# Allegro board 038NC-GRIFFI-V9A_16.brd
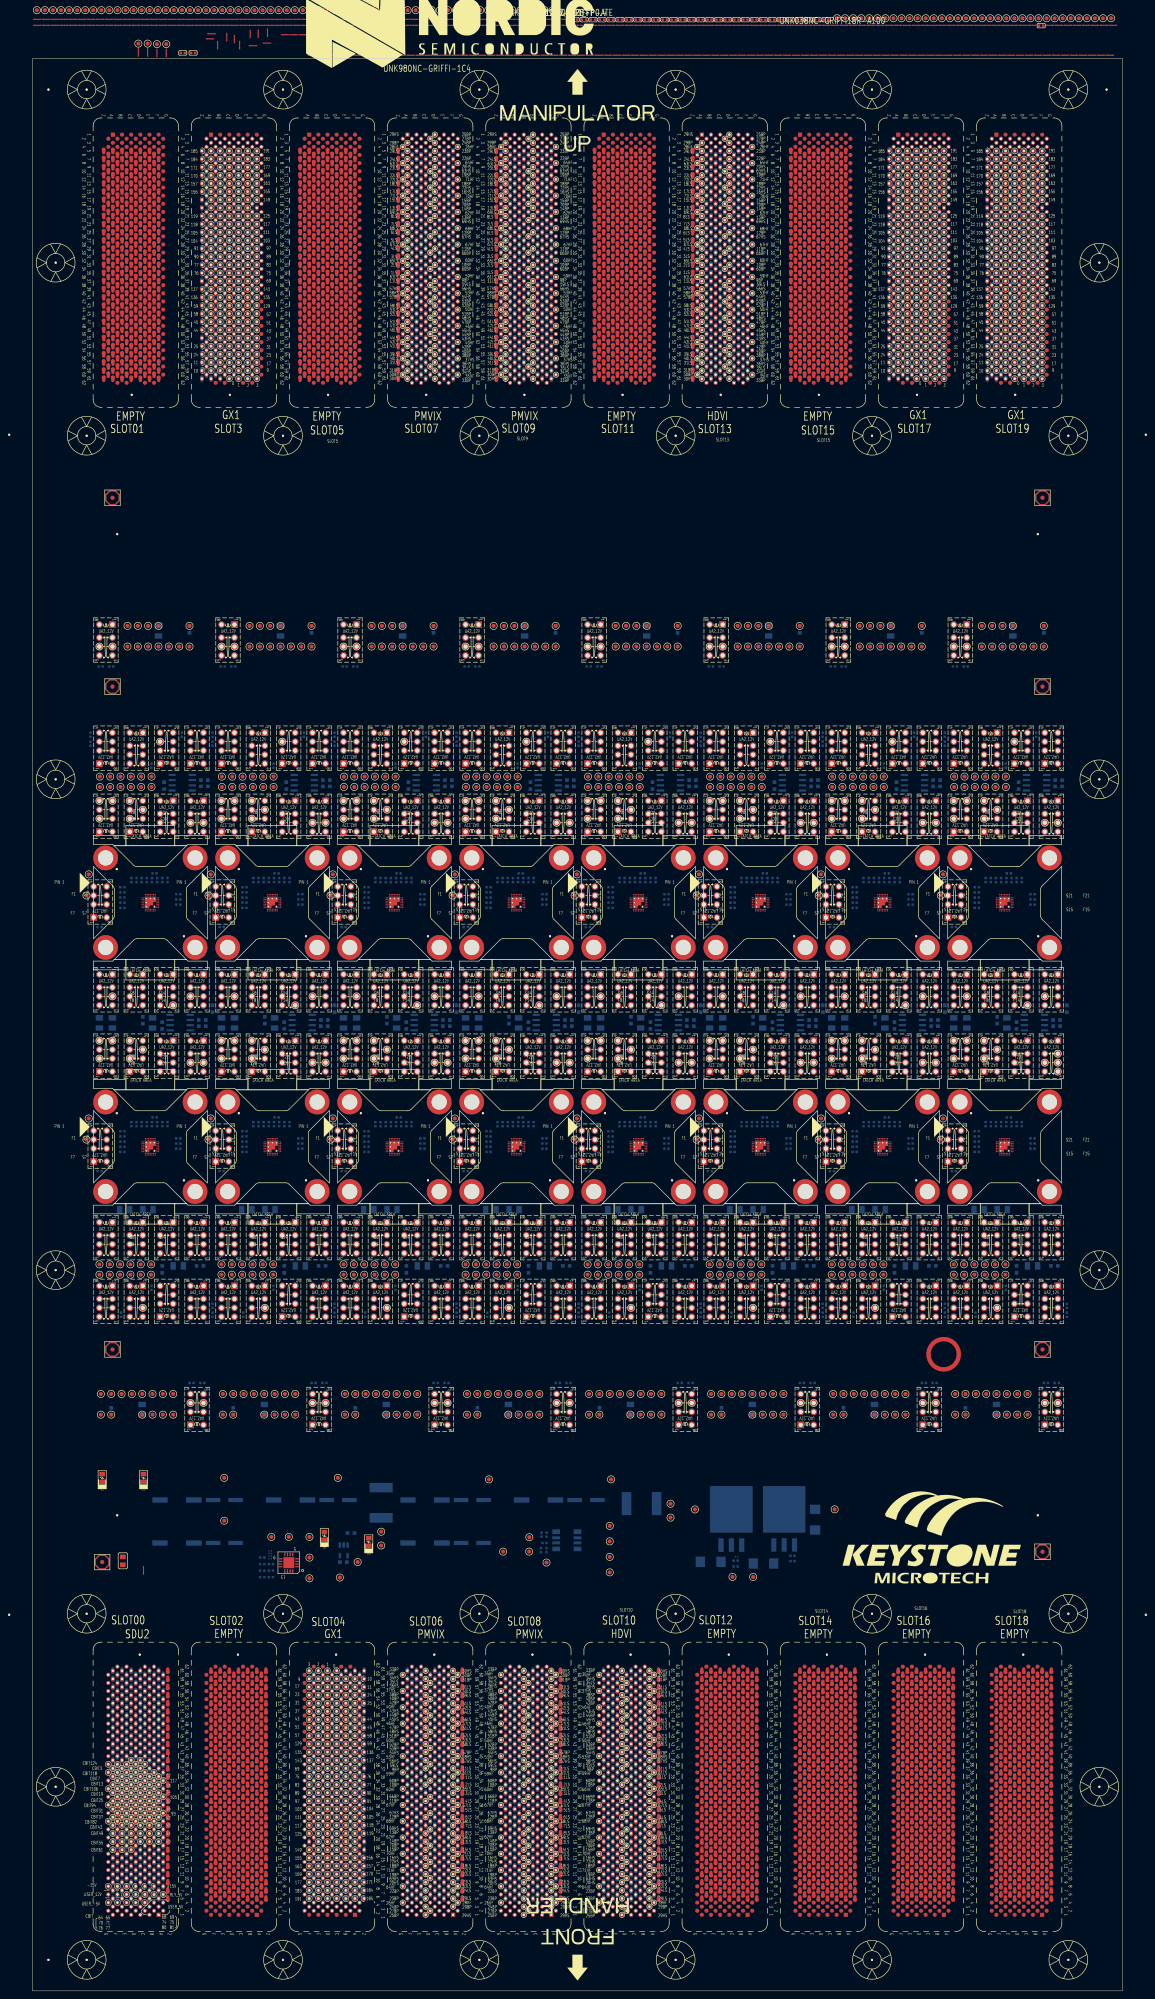
[diagram p0: board, top side]
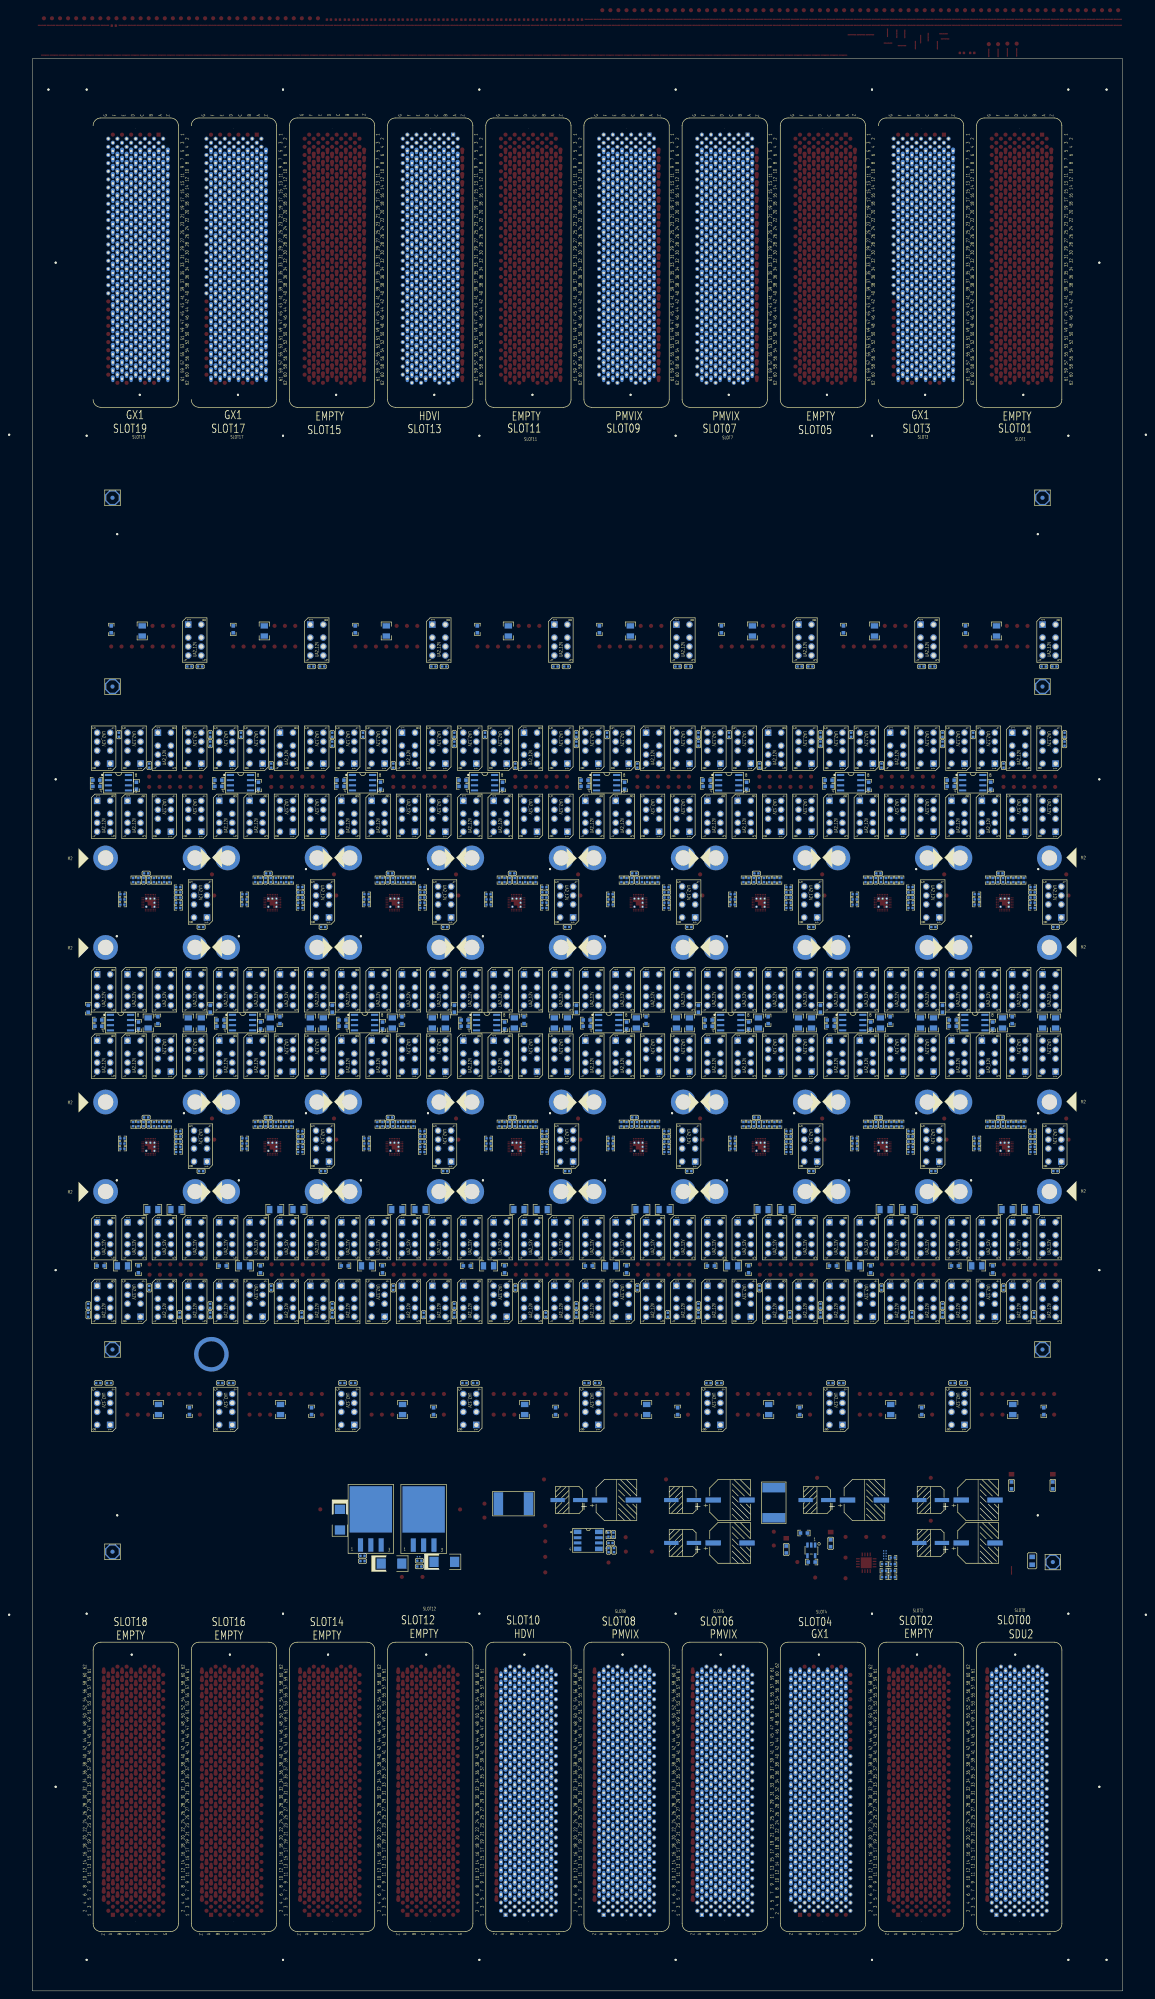
[diagram p1: board, bottom side, seen from below]

Outline 267.97 x 474.98 mm; copper layers: TOP, L02_GND, L03_SIGNAL, L04_GND, L05_SIGNAL, L06_GND, L07_SIGNAL, L08_GND, L09_PWR, L10_PWR, L11_GND, L12_PWR, L13_PWR, L14_GND, L15_USER, L16_CBIT, L17_GND, L18_PWR, L19_PWR, L20_GND, L21_PWR, L22_PWR, L23_GND, L24_SIGNAL, L25_GND, L26_SIGNAL, L27_GND, L28_SIGNAL, L29_GND, L30_SIGNAL, L31_GND, BOTTOM. Coordinates in mm from the lower left corner of the outline.

## Placement (name value [footprint] x y rotation side)
BC1  100U-50-E-S-6.6X6.6  [EC_6P3X7P7MM_S]  75.12 120.65 270 bottom
BC2  47U-100-E-S10X10-NI  [ECS_10X10MM_H10P5]  63.45 120.65 90 bottom
BC3  100U-50-E-S-6.6X6.6  [EC_6P3X7P7MM_S]  108.14 110.11 270 bottom
BC4  47U-100-E-S10X10-NI  [ECS_10X10MM_H10P5]  96.47 110.11 90 bottom
BC5  100U-50-E-S-6.6X6.6  [EC_6P3X7P7MM_S]  47.18 120.65 270 bottom
BC6  47U-100-E-S10X10-NI  [ECS_10X10MM_H10P5]  35.51 120.65 90 bottom
BC7  100U-50-E-S-6.6X6.6  [EC_6P3X7P7MM_S]  108.14 120.65 270 bottom
BC8  47U-100-E-S10X10-NI  [ECS_10X10MM_H10P5]  96.47 120.65 90 bottom
BC10  47U-100-E-S10X10-NI  [ECS_10X10MM_H10P5]  124.41 120.65 90 bottom
BC11  100U-50-E-S-6.6X6.6  [EC_6P3X7P7MM_S]  136.08 120.65 270 bottom
BC12  47U-100-E-S10X10-NI  [ECS_10X10MM_H10P5]  35.51 110.11 90 bottom
BC13  100U-50-E-S-6.6X6.6  [EC_6P3X7P7MM_S]  47.18 110.11 270 bottom
BD1  BD120-3.5A-S8-LA  [FB0805]  22.23 105.71 90 top
BD2  BD120-3.5A-S8-LA  [FB0805]  22.23 105.71 90 bottom
BR1  560-1-S6  [R0603]  71.76 110.03 270 bottom
BR2  560-1-S6  [R0603]  82.68 108.5 270 bottom
BR3  560-1-S6  [R0603]  27.31 124.25 270 bottom
BR4  1K-1-S6  [R0603]  17.15 124.25 270 bottom
C14  1U-16-X5R-S4-YA  [C0402]  126.4 112.15 90 bottom
C84  1U-16-X6S-S4-TY  [C0402]  56.49 106.51 180 bottom
C85  1U-16-X6S-S4-TY  [C0402]  56.49 103.28 180 bottom
C86  1U-16-X6S-S4-TY  [C0402]  56.49 104.88 180 bottom
C87  0.1U-10-X7R-S4-MU-1  [C0402]  58.62 104.91 0 bottom
C88  0.1U-10-X7R-S4-MU-1  [C0402]  58.62 103.28 0 bottom
C89  0.1U-10-X7R-S4-MU-1  [C0402]  56.49 101.68 180 bottom
C90  100P-50-X8R-S4-KEMET  [C0402]  58.62 101.68 0 bottom
C99  10U-35-T-SC  [CODE_C]  166.73 105.45 180 bottom
C100  10U-35-T-SC  [CODE_C]  179.71 105.04 180 bottom
C101  10U-35-T-SC  [CODE_C]  192.38 115.82 270 bottom
C102  1U-25-X7R-S6-WA  [C0603]  78.31 112.54 0 bottom
C103  1U-25-X7R-S6-WA  [C0603]  76.41 105.41 0 bottom
FD1  FD_040  [FD_040_V2]  17.15 105.41 0 top
FD2  FD_040  [FD_040_V2]  19.69 157.66 0 top
FD3  FD_040  [FD_040_V2]  19.69 320.62 0 top
FD4  FD_040  [FD_040_V2]  19.69 367.03 0 top
FD5  FD_040  [FD_040_V2]  248.29 367.03 0 top
FD6  FD_040  [FD_040_V2]  248.29 320.62 0 top
FD7  FD_040  [FD_040_V2]  248.29 157.66 0 top
FD8  FD_040  [FD_040_V2]  248.29 107.95 0 top
FD9  FD_040  [FD_040_V2]  17.15 105.41 180 bottom
FD10  FD_040  [FD_040_V2]  19.69 157.66 180 bottom
FD11  FD_040  [FD_040_V2]  19.69 320.62 180 bottom
FD12  FD_040  [FD_040_V2]  19.69 367.03 180 bottom
FD13  FD_040  [FD_040_V2]  248.29 367.03 180 bottom
FD14  FD_040  [FD_040_V2]  248.29 320.62 180 bottom
FD15  FD_040  [FD_040_V2]  248.29 157.66 180 bottom
FD16  FD_040  [FD_040_V2]  248.29 107.95 180 bottom
FUSE1  2920L200-2A-S7.98X5.44  [FUSE_2920_H45]  149.73 119.76 0 bottom
FUSE2  2920L200-2A-S7.98X5.44  [FUSE_2920_H45]  85.73 119.99 270 bottom
H1  M3-HOLE  [M3_NPTH169]  20.84 116.9 0 top
H2  M3-HOLE  [M3_NPTH169]  20.84 358.08 0 top
H3  M3-HOLE  [M3_NPTH169]  247.13 358.08 0 top
H4  M3-HOLE  [M3_NPTH169]  247.13 116.9 0 top
LOGO1  -  [LOGO_NC_NORDIC]  98.78 473.44 0 top
LOGO2  -  [LOGO_KT_KSMT]  217.98 104.48 0 top
M1  -  [PG_LTXDX_F_X1_OUTLINE_FULL_V2]  133.99 237.49 0 top
NOREF  -  []  218.86 249.87 0 top
NOREF#2  -  []  183.82 83.81 0 top
NOREF#3  -  []  53.93 290.34 90 top
NOREF#4  -  []  180.18 205.86 90 top
NOREF#5  -  []  123.41 250.67 0 top
NOREF#6  -  []  218.86 142.32 90 top
NOREF#7  -  []  196.47 290.34 90 top
NOREF#8  -  []  232.98 286.49 0 top
NOREF#9  -  []  164.98 281.49 90 top
NOREF#10  -  []  58.35 267.84 45 top
NOREF#11  -  []  104.99 221.49 90 top
NOREF#12  -  []  203.93 284.94 0 top
NOREF#13  -  []  224.98 281.49 90 top
NOREF#14  -  []  22.99 188.49 0 top
NOREF#15  -  []  45.92 300.88 90 top
NOREF#16  -  []  65.02 284.14 0 top
NOREF#17  -  []  81.68 112.1 0 top
NOREF#18  -  []  22.53 283.29 0 top
NOREF#19  -  []  22.99 226.49 0 top
NOREF#20  -  []  57.13 183.53 90 top
NOREF#21  -  []  181.01 206.29 90 top
NOREF#22  -  []  94.59 230.38 90 top
NOREF#23  -  []  16.47 173.3 0 top
NOREF#24  -  []  248.86 301.68 0 top
NOREF#25  -  []  235.94 234.38 0 top
NOREF#26  -  []  130.9 239.1 90 top
NOREF#27  -  []  121.39 188.93 0 top
NOREF#28  -  []  221.02 189.73 0 top
NOREF#29  -  []  133.01 240.57 90 top
NOREF#30  -  []  207.13 165.7 90 top
NOREF#31  -  []  16.47 225.98 90 top
NOREF#32  -  []  222.06 167.9 90 top
NOREF#33  -  []  61.01 266.29 90 top
NOREF#34  -  []  89.39 209.51 0 top
NOREF#35  -  []  241.01 206.69 90 top
NOREF#36  -  []  124.59 289.34 90 top
NOREF#37  -  []  248.86 142.32 90 top
NOREF#38  -  []  72.34 120.65 0 top
NOREF#39  -  []  235.7 198.99 90 top
NOREF#40  -  []  15.07 283.29 90 top
NOREF#41  -  []  42.48 284.14 0 top
NOREF#42  -  []  138.36 283.29 90 top
NOREF#43  -  []  145.97 326.61 90 top
NOREF#44  -  []  143.93 229.18 90 top
NOREF#45  -  []  143.93 309.28 0 top
NOREF#46  -  []  235.97 164.05 90 top
NOREF#47  -  []  77.99 196.49 90 top
NOREF#48  -  []  103.01 240.57 90 top
NOREF#49  -  []  45.06 263.86 0 top
NOREF#50  -  []  21.07 240.62 90 top
NOREF#51  -  []  170.17 17.15 0 top
NOREF#52  -  []  42.06 167.9 90 top
NOREF#53  -  []  213.43 164.05 90 top
NOREF#54  -  []  244.59 284.94 90 top
NOREF#55  -  []  56.96 208.69 0 top
NOREF#56  -  []  193.32 392.33 90 top
NOREF#57  -  []  15.07 251.52 0 top
NOREF#58  -  []  184.59 185.73 90 top
NOREF#59  -  []  250.89 240.62 90 top
NOREF#60  -  []  43.88 117.35 90 top
NOREF#61  -  []  76.47 288.14 90 top
NOREF#62  -  []  68.04 396.29 0 top
NOREF#63  -  []  78.36 224.33 90 top
NOREF#64  -  []  23.93 284.94 90 top
NOREF#65  -  []  102.06 225.98 90 top
NOREF#66  -  []  59.02 106.54 90 top
NOREF#67  -  []  226.47 335.86 0 top
NOREF#68  -  []  27.13 167.9 90 top
NOREF#69  -  []  219.43 82.65 0 top
NOREF#70  -  []  173.66 106.41 90 top
NOREF#71  -  []  205.97 240.62 90 top
NOREF#72  -  []  183.43 179.68 90 top
NOREF#73  -  []  228.36 240.62 90 top
NOREF#74  -  []  87.79 269.51 0 top
NOREF#75  -  []  43.91 396.29 0 top
NOREF#76  -  []  241.39 165.7 0 top
NOREF#77  -  []  128.86 144.52 90 top
NOREF#78  -  []  218.86 139.12 90 top
NOREF#79  -  []  52.99 248.49 90 top
NOREF#80  -  []  220.89 240.62 90 top
NOREF#81  -  []  154.59 244.47 90 top
NOREF#82  -  []  44.99 193.49 90 top
NOREF#83  -  []  241.39 301.68 90 top
NOREF#84  -  []  145.97 164.05 90 top
NOREF#85  -  []  72.06 284.94 90 top
NOREF#86  -  []  208.35 207.84 45 top
NOREF#87  -  []  222.06 246.67 90 top
NOREF#88  -  []  195.06 207.06 90 top
NOREF#89  -  []  177.13 181.33 90 top
NOREF#90  -  []  38.51 115.65 0 top
NOREF#91  -  []  228.36 224.33 90 top
NOREF#92  -  []  190.78 112.83 90 top
NOREF#93  -  []  87.41 138.32 0 top
NOREF#94  -  []  199.67 167.9 90 top
NOREF#95  -  []  79.94 164.9 0 top
NOREF#96  -  []  16.42 124.95 90 top
NOREF#97  -  []  59.32 208.11 315 top
NOREF#98  -  []  134.98 193.49 90 top
NOREF#99  -  []  71.03 110.73 90 top
NOREF#100  -  []  258.36 224.33 90 top
NOREF#101  -  []  143.93 288.14 90 top
NOREF#102  -  []  78.48 189.73 0 top
NOREF#103  -  []  128.73 110.11 90 top
NOREF#104  -  []  74.99 190.99 90 top
NOREF#105  -  []  36.61 138.32 0 top
NOREF#106  -  []  39.04 16.49 0 top
NOREF#107  -  []  203.93 188.93 0 top
NOREF#108  -  []  196.47 307.08 90 top
NOREF#109  -  []  55.97 326.61 90 top
NOREF#110  -  []  3.61 203.06 0 top
NOREF#111  -  []  192.06 185.73 90 top
NOREF#112  -  []  75.92 300.88 90 top
NOREF#113  -  []  42.06 244.47 90 top
NOREF#114  -  []  17.53 452.29 90 top
NOREF#115  -  []  31.02 18.69 90 top
NOREF#116  -  []  85.73 116.29 90 top
NOREF#117  -  []  145.97 240.62 90 top
NOREF#118  -  []  23.93 309.28 0 top
NOREF#119  -  []  158.31 138.32 90 top
NOREF#120  -  []  158.31 300.88 90 top
NOREF#121  -  []  158.86 249.87 0 top
NOREF#122  -  []  142.98 188.49 90 top
NOREF#123  -  []  42.06 185.73 90 top
NOREF#124  -  []  139.67 332.66 90 top
NOREF#125  -  []  46.47 188.93 0 top
NOREF#126  -  []  218.86 233.58 0 top
NOREF#127  -  []  23.93 288.14 90 top
NOREF#128  -  []  138.48 189.73 0 top
NOREF#129  -  []  91.4 168.9 90 top
NOREF#130  -  []  27.13 185.73 90 top
NOREF#131  -  []  154.83 116.76 90 top
NOREF#132  -  []  44.99 253.49 90 top
NOREF#133  -  []  224.98 253.49 90 top
NOREF#134  -  []  75.92 225.18 90 top
NOREF#135  -  []  70.9 237.58 90 top
NOREF#136  -  []  175.94 250.67 0 top
NOREF#137  -  []  175.81 454.29 90 top
NOREF#138  -  []  168.48 174.1 0 top
NOREF#139  -  []  16.47 290.34 90 top
NOREF#140  -  []  240.18 265.47 90 top
NOREF#141  -  []  181.39 304.88 90 top
NOREF#142  -  []  162.06 183.53 90 top
NOREF#143  -  []  132.06 246.67 90 top
NOREF#144  -  []  71.4 296.54 90 top
NOREF#145  -  []  190.47 111.76 90 top
NOREF#146  -  []  194.98 281.49 90 top
NOREF#147  -  []  237.13 181.33 90 top
NOREF#148  -  []  27.36 208.69 0 top
NOREF#149  -  []  252.06 284.94 90 top
NOREF#150  -  []  63.61 263.06 0 top
NOREF#151  -  []  0 474.98 0 top
NOREF#152  -  []  109.67 181.33 90 top
NOREF#153  -  []  91.47 105.11 90 top
NOREF#154  -  []  68.39 253.49 45 top
NOREF#155  -  []  83.93 309.28 0 top
NOREF#156  -  []  105.06 207.06 90 top
NOREF#157  -  []  163.01 240.57 90 top
NOREF#158  -  []  214.59 225.98 90 top
NOREF#159  -  []  188.86 173.3 0 top
NOREF#160  -  []  79.67 170.1 90 top
NOREF#161  -  []  157.55 203.78 0 top
NOREF#162  -  []  59.32 268.11 315 top
NOREF#163  -  []  42.06 225.98 90 top
NOREF#164  -  []  143.93 225.98 90 top
NOREF#165  -  []  173.93 173.3 0 top
NOREF#166  -  []  229.67 185.73 90 top
NOREF#167  -  []  169.19 392.33 90 top
NOREF#168  -  []  109.67 244.47 90 top
NOREF#169  -  []  188.86 142.32 90 top
NOREF#170  -  []  196.47 284.94 0 top
NOREF#171  -  []  248.86 144.52 90 top
NOREF#172  -  []  166.47 288.14 90 top
NOREF#173  -  []  205.97 179.68 90 top
NOREF#174  -  []  162.06 284.94 90 top
NOREF#175  -  []  30 300.03 0 top
NOREF#176  -  []  205.7 198.99 90 top
NOREF#177  -  []  30.19 265.47 90 top
NOREF#178  -  []  145.7 198.99 90 top
NOREF#179  -  []  93.43 164.05 90 top
NOREF#180  -  []  55.95 189.73 0 top
NOREF#181  -  []  45.06 267.06 90 top
NOREF#182  -  []  87.13 183.53 90 top
NOREF#183  -  []  131.02 336.66 0 top
NOREF#184  -  []  57.13 246.67 90 top
NOREF#185  -  []  192.06 289.34 90 top
NOREF#186  -  []  191.02 336.66 0 top
NOREF#187  -  []  147.41 138.32 0 top
NOREF#188  -  []  76.47 231.38 90 top
NOREF#189  -  []  31.96 297.11 0 top
NOREF#190  -  []  30 294.19 0 top
NOREF#191  -  []  98.86 301.68 0 top
NOREF#192  -  []  72.06 244.47 90 top
NOREF#193  -  []  166.47 304.88 90 top
NOREF#194  -  []  19.67 185.73 90 top
NOREF#195  -  []  244.59 287.14 90 top
NOREF#196  -  []  109.67 242.27 90 top
NOREF#197  -  []  211.39 307.08 90 top
NOREF#198  -  []  225.92 284.14 90 top
NOREF#199  -  []  37.36 333.84 90 top
NOREF#200  -  []  190.89 239.1 90 top
NOREF#201  -  []  31.4 233.58 0 top
NOREF#202  -  []  64.59 183.53 90 top
NOREF#203  -  []  93.41 234.38 0 top
NOREF#204  -  []  205.97 326.61 90 top
NOREF#205  -  []  42.06 183.53 90 top
NOREF#206  -  []  238.35 267.84 45 top
NOREF#207  -  []  87.13 242.27 90 top
NOREF#208  -  []  167.98 196.49 90 top
NOREF#209  -  []  132.06 287.14 90 top
NOREF#210  -  []  92.16 20.69 90 top
NOREF#211  -  []  241.39 292.54 0 top
NOREF#212  -  []  76.47 225.98 90 top
NOREF#213  -  []  67.24 259.24 90 top
NOREF#214  -  []  105.06 263.86 0 top
NOREF#215  -  []  207.13 242.27 90 top
NOREF#216  -  []  41.02 250.67 0 top
NOREF#217  -  []  132.78 117.35 90 top
NOREF#218  -  []  165.92 284.14 90 top
NOREF#219  -  []  108.48 174.1 0 top
NOREF#220  -  []  166.47 173.3 0 top
NOREF#221  -  []  26.31 123.41 90 top
NOREF#222  -  []  75.06 203.86 0 top
NOREF#223  -  []  34.6 242.27 90 top
NOREF#224  -  []  160.9 239.1 90 top
NOREF#225  -  []  45.06 207.06 90 top
NOREF#226  -  []  233.93 290.34 90 top
NOREF#227  -  []  136.47 188.93 0 top
NOREF#228  -  []  143.93 225.98 0 top
NOREF#229  -  []  153.41 293.34 0 top
NOREF#230  -  []  235.97 240.62 90 top
NOREF#231  -  []  89.39 269.51 0 top
NOREF#232  -  []  79.67 167.9 90 top
NOREF#233  -  []  237.13 165.7 90 top
NOREF#234  -  []  105.06 209.26 90 top
NOREF#235  -  []  94.22 115.65 0 top
NOREF#236  -  []  244.59 244.47 90 top
NOREF#237  -  []  183.61 203.06 0 top
NOREF#238  -  []  128.86 188.93 0 top
NOREF#239  -  []  42.61 234.38 0 top
NOREF#240  -  []  240.84 164.9 90 top
NOREF#241  -  []  29.32 268.11 315 top
NOREF#242  -  []  206.96 208.69 0 top
NOREF#243  -  []  236.94 18.69 0 top
NOREF#244  -  []  138.36 240.62 90 top
NOREF#245  -  []  115.88 237.76 90 top
NOREF#246  -  []  190.78 112.83 0 top
NOREF#247  -  []  42.06 287.14 90 top
NOREF#248  -  []  68.86 292.54 0 top
NOREF#249  -  []  244.59 230.38 90 top
NOREF#250  -  []  218.86 307.08 90 top
NOREF#251  -  []  226.47 229.18 90 top
NOREF#252  -  []  248.86 301.68 90 top
NOREF#253  -  []  87.13 185.73 90 top
NOREF#254  -  []  241.39 307.08 90 top
NOREF#255  -  []  53.93 309.28 0 top
NOREF#256  -  []  138.48 250.67 0 top
NOREF#257  -  []  67.55 263.78 0 top
NOREF#258  -  []  49.67 167.9 90 top
NOREF#259  -  []  77.99 256.49 90 top
NOREF#260  -  []  94.59 242.27 90 top
NOREF#261  -  []  233.93 284.94 90 top
NOREF#262  -  []  87.13 165.7 90 top
NOREF#263  -  []  207.78 269.51 0 top
NOREF#264  -  []  78.48 174.1 0 top
NOREF#265  -  []  243.41 189.73 0 top
NOREF#266  -  []  106.47 188.93 0 top
NOREF#267  -  []  191.02 174.1 0 top
NOREF#268  -  []  83.93 188.93 0 top
NOREF#269  -  []  48.54 392.33 90 top
NOREF#270  -  []  218.86 188.93 0 top
NOREF#271  -  []  59.29 207.51 45 top
NOREF#272  -  []  208.65 206.87 45 top
NOREF#273  -  []  250.89 237.58 90 top
NOREF#274  -  []  158.86 144.52 90 top
NOREF#275  -  []  211.01 206.69 90 top
NOREF#276  -  []  61.4 233.58 0 top
NOREF#277  -  []  46.47 307.08 90 top
NOREF#278  -  []  98.86 139.12 90 top
NOREF#279  -  []  104.84 117.35 90 top
NOREF#280  -  []  172.98 188.49 0 top
NOREF#281  -  []  226.47 307.08 90 top
NOREF#282  -  []  57.13 242.27 90 top
NOREF#283  -  []  132.06 225.98 90 top
NOREF#284  -  []  151.39 171.1 90 top
NOREF#285  -  []  181.16 295.41 90 top
NOREF#286  -  []  195.06 263.86 0 top
NOREF#287  -  []  25.7 198.99 90 top
NOREF#288  -  []  61.4 304.88 90 top
NOREF#289  -  []  149.42 18.69 0 top
NOREF#290  -  []  29.29 267.51 45 top
NOREF#291  -  []  41.02 336.66 0 top
NOREF#292  -  []  202.98 188.49 90 top
NOREF#293  -  []  67.24 199.24 90 top
NOREF#294  -  []  142.98 248.49 90 top
NOREF#295  -  []  110.74 275.74 0 top
NOREF#296  -  []  47.99 278.49 0 top
NOREF#297  -  []  148.37 267.15 315 top
NOREF#298  -  []  151.39 168.9 90 top
NOREF#299  -  []  169.67 185.73 90 top
NOREF#300  -  []  211.39 249.87 0 top
NOREF#301  -  []  81.95 111.4 0 top
NOREF#302  -  []  48.48 250.67 0 top
NOREF#303  -  []  237.78 269.51 0 top
NOREF#304  -  []  27.36 268.69 0 top
NOREF#305  -  []  16.47 284.94 0 top
NOREF#306  -  []  120.18 205.86 90 top
NOREF#307  -  []  184.59 225.98 90 top
NOREF#308  -  []  93.41 174.1 0 top
NOREF#309  -  []  195.06 269.26 90 top
NOREF#310  -  []  210.84 300.88 90 top
NOREF#311  -  []  158.86 233.58 0 top
NOREF#312  -  []  230.48 270.77 0 top
NOREF#313  -  []  195.92 225.18 90 top
NOREF#314  -  []  104.99 221.49 90 top
NOREF#315  -  []  244.59 228.18 90 top
NOREF#316  -  []  108.36 224.33 90 top
NOREF#317  -  []  227.98 278.49 0 top
NOREF#318  -  []  31.36 110.11 0 top
NOREF#319  -  []  52.99 286.49 0 top
NOREF#320  -  []  115.97 164.05 90 top
NOREF#321  -  []  252.06 230.38 90 top
NOREF#322  -  []  121.39 249.87 0 top
NOREF#323  -  []  248.86 304.88 90 top
NOREF#324  -  []  121.39 165.7 90 top
NOREF#325  -  []  117.13 246.67 90 top
NOREF#326  -  []  106.47 249.87 0 top
NOREF#327  -  []  195.06 267.06 90 top
NOREF#328  -  []  225.92 300.88 90 top
NOREF#329  -  []  61.01 266.69 90 top
NOREF#330  -  []  196.47 231.38 90 top
NOREF#331  -  []  227.98 196.49 90 top
NOREF#332  -  []  15.06 269.26 90 top
NOREF#333  -  []  237.63 268.84 0 top
NOREF#334  -  []  227.21 143.34 90 top
NOREF#335  -  []  209.29 267.51 45 top
NOREF#336  -  []  104.99 283.99 0 top
NOREF#337  -  []  179.32 268.11 315 top
NOREF#338  -  []  70.76 113.63 0 top
NOREF#339  -  []  158.86 139.12 90 top
NOREF#340  -  []  147.13 301.68 90 top
NOREF#341  -  []  226.47 301.68 90 top
NOREF#342  -  []  76.47 229.18 90 top
NOREF#343  -  []  30 251.52 0 top
NOREF#344  -  []  14.99 253.49 90 top
NOREF#345  -  []  195.06 203.86 90 top
NOREF#346  -  []  192.38 113.28 90 top
NOREF#347  -  []  177.13 167.9 90 top
NOREF#348  -  []  237.13 303.88 90 top
NOREF#349  -  []  73.65 17.15 90 top
NOREF#350  -  []  138.36 224.33 90 top
NOREF#351  -  []  235.88 237.76 90 top
NOREF#352  -  []  147.63 268.84 0 top
NOREF#353  -  []  184.59 287.14 90 top
NOREF#354  -  []  108.48 189.73 0 top
NOREF#355  -  []  58.12 389.27 90 top
NOREF#356  -  []  178.44 14.59 90 top
NOREF#357  -  []  112.99 248.49 90 top
NOREF#358  -  []  248.86 292.54 0 top
NOREF#359  -  []  153.61 263.06 0 top
NOREF#360  -  []  132.06 185.73 90 top
NOREF#361  -  []  106.36 14.59 90 top
NOREF#362  -  []  160.89 179.68 90 top
NOREF#363  -  []  15.06 267.06 90 top
NOREF#364  -  []  145.06 392.33 90 top
NOREF#365  -  []  181.39 233.58 0 top
NOREF#366  -  []  220.89 237.58 90 top
NOREF#367  -  []  195.06 203.86 0 top
NOREF#368  -  []  162.06 167.9 90 top
NOREF#369  -  []  169.67 242.27 90 top
NOREF#370  -  []  43.88 106.81 90 top
NOREF#371  -  []  183.41 174.1 0 top
NOREF#372  -  []  55.95 234.38 0 top
NOREF#373  -  []  224.51 263.06 90 top
NOREF#374  -  []  121.01 266.29 90 top
NOREF#375  -  []  166.47 335.86 0 top
NOREF#376  -  []  104.99 253.49 90 top
NOREF#377  -  []  220.89 239.1 90 top
NOREF#378  -  []  191.4 296.54 90 top
NOREF#379  -  []  117.41 138.32 0 top
NOREF#380  -  []  162.06 225.98 90 top
NOREF#381  -  []  106.47 301.68 0 top
NOREF#382  -  []  199.94 454.29 90 top
NOREF#383  -  []  145.94 250.67 0 top
NOREF#384  -  []  147.63 208.84 0 top
NOREF#385  -  []  36.61 138.32 90 top
NOREF#386  -  []  162.06 244.47 90 top
NOREF#387  -  []  57.41 300.88 0 top
NOREF#388  -  []  17.99 196.49 90 top
NOREF#389  -  []  40.9 179.68 90 top
NOREF#390  -  []  104.99 281.49 90 top
NOREF#391  -  []  26.58 127.15 0 top
NOREF#392  -  []  42.06 284.94 90 top
NOREF#393  -  []  72.67 392.33 90 top
NOREF#394  -  []  196.47 225.98 0 top
NOREF#395  -  []  63.43 300.03 90 top
NOREF#396  -  []  124.59 242.27 90 top
NOREF#397  -  []  178.65 206.87 45 top
NOREF#398  -  []  101.4 296.54 90 top
NOREF#399  -  []  138.18 452.29 90 top
NOREF#400  -  []  46.47 225.98 0 top
NOREF#401  -  []  101.02 174.1 0 top
NOREF#402  -  []  79.67 330.46 90 top
NOREF#403  -  []  183.84 458.49 0 top
NOREF#404  -  []  44.99 223.99 0 top
NOREF#405  -  []  121.91 17.2 0 top
NOREF#406  -  []  177.36 208.69 0 top
NOREF#407  -  []  173.38 284.14 90 top
NOREF#408  -  []  135.58 458.49 0 top
NOREF#409  -  []  250.89 239.1 90 top
NOREF#410  -  []  175.97 164.05 90 top
NOREF#411  -  []  61.4 301.68 90 top
NOREF#412  -  []  239.32 208.11 315 top
NOREF#413  -  []  82.99 188.49 0 top
NOREF#414  -  []  199.67 330.46 90 top
NOREF#415  -  []  153.41 189.73 0 top
NOREF#416  -  []  172.76 106.73 0 top
NOREF#417  -  []  165.92 225.18 90 top
NOREF#418  -  []  57.13 165.7 90 top
NOREF#419  -  []  188.39 253.49 45 top
NOREF#420  -  []  198.36 240.62 90 top
NOREF#421  -  []  57.36 268.69 0 top
NOREF#422  -  []  213.41 250.67 0 top
NOREF#423  -  []  28.53 240.62 90 top
NOREF#424  -  []  225.06 209.26 90 top
NOREF#425  -  []  164.51 263.06 90 top
NOREF#426  -  []  148.35 207.84 45 top
NOREF#427  -  []  37.55 263.78 0 top
NOREF#428  -  []  158.86 142.32 90 top
NOREF#429  -  []  240.18 265.86 90 top
NOREF#430  -  []  37.46 294.19 0 top
NOREF#431  -  []  61.4 301.68 0 top
NOREF#432  -  []  70.89 224.33 90 top
NOREF#433  -  []  151.01 266.69 90 top